# Altium PCB PCB_3U_DAC_no_BNC.PCBDOC (part 2 of 7) (continued)
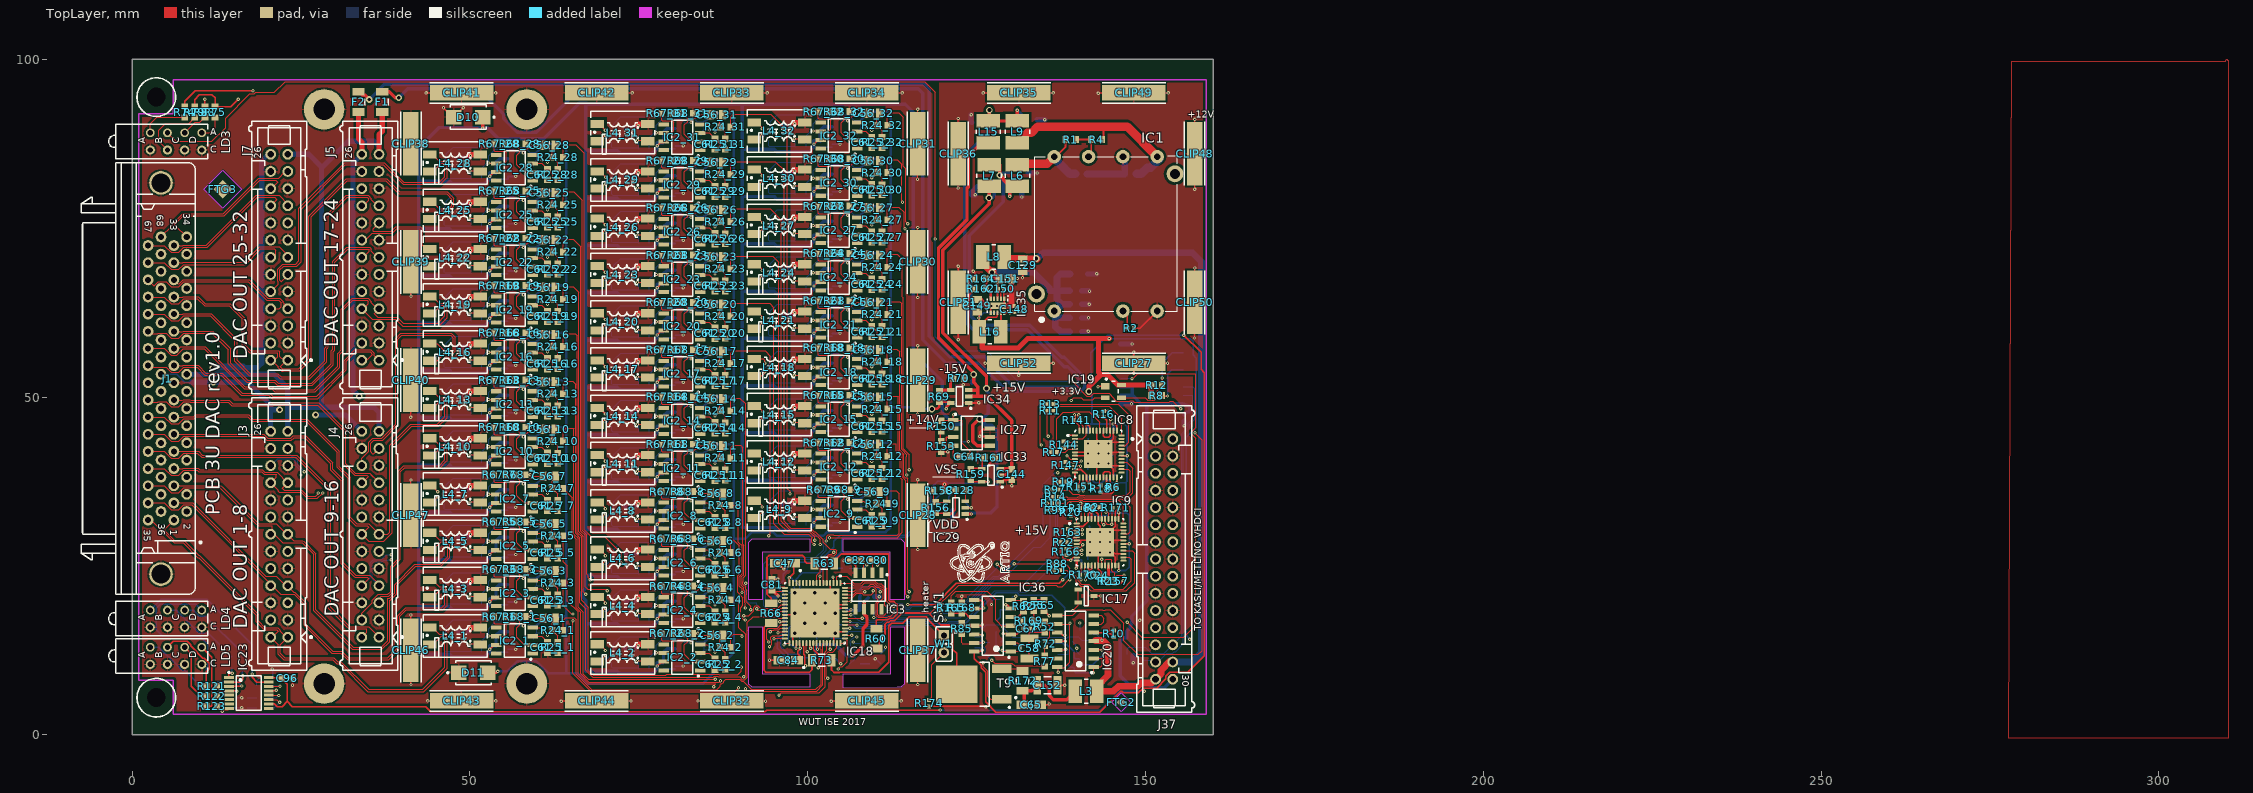
[diagram p0: TopLayer view]
## Components (designator, comment, footprint, x,y, rotation, side; value= is the part's Value field where it differs from the comment) (continued)
R99 "0" RESC1005X40N 136.652,33.274 r0 top
R101 "0" RESC1005X40N 136.652,34.29 r0 top
R113 "220" RESC1608X55N 17.78,10.719 r90 bottom
R114 "220" RESC1608X55N 14.763,10.706 r90 bottom
R115 "220" RESC1608X55N 16.263,10.706 r90 bottom
R116 "220" RESC1608X55N 107,10.5 r180 bottom
R117 "220" RESC1608X55N 107.75,12.781 r90 bottom
R118 "220" RESC1608X55N 19.25,5.5 r0 bottom
R119 "220" RESC1608X55N 11.763,7.856 r180 bottom
R120 "220" RESC1608X55N 11.763,6.456 r180 bottom
R121 "220" RESC1608X55N 11.763,7.206 r180 top
R122 "220" RESC1608X55N 11.763,5.706 r180 top
R123 "220" RESC1608X55N 11.763,4.206 r180 top
R141 "100" RESC1005X40N 139.813,46.578 r180 top
R144 "100" RESC1005X40N 137.883,42.972 r270 top
R147 "100" RESC1005X40N 138.162,39.949 r270 top
R150 "24k" RESC1608X55N 119.763,45.706 r90 top
R151 "100" RESC1005X40N 140.423,36.749 r0 top
R153 "2k7" RESC1608X55N 119.763,42.706 r90 top
R156 "24k" RESC1608X55N 118.933,33.647 r270 top
R157 "100" RESC1005X40N 145.427,22.779 r270 top
R158 "2k7" RESC1608X55N 119.438,36.171 r180 top
R159 "24k" RESC1608X55N 124.135,38.551 r270 top
R160 "100" RESC1005X40N 140.755,33.563 r180 top
R161 "2k7" RESC1608X55N 126.927,41.051 r180 top
R162 "270k" RESC1608X55N 125.588,66.031 r180 top
R163 "100" RESC1005X40N 138.52,30.007 r270 top
R164 "82k" RESC1608X55N 125.588,67.531 r0 top
R165 "10k" RESC1608X55N 121.256,18.793 r90 top
R166 "100" RESC1005X40N 138.292,27.086 r270 top
R168 "10k" RESC1608X55N 122.78,18.793 r270 top
R169 "100k" RESC1608X55N 132.686,16.888 r0 top
R170 "100" RESC1005X40N 140.781,23.708 r0 top
R171 "10k" RESC1005X40N 145.571,33.601 r0 top
R172 "22" RESC3216X65N 131.797,7.998 r270 top
R174 "0" RESC1005X40N 117.954,4.696 r90 top
SW1 "Jumper Type1" JUMPER_BLACK_INSULATED_2.54MM 120.142,14.732 r270 top
T9 "FDD5614P" TO228P991X238-3N-R546X521 124.549,7.528 r180 top
W1 "Test Point" COMATEL_385.0358.1.02.400 120.142,14.732 r270 top

## Footprints (in the part's own frame and the unit in brackets; to place one, negate y for a bottom-side part, rotate by r counter-clockwise, add the part's x,y. Pads: shape width x height; smd on the part's side, far side on the other; paste and mask are expansions set on the pad)
3M_N2526-6002RB [mm] "26 Contacts - Straight .100\" x .100\" Low Profile Four-Wall Header"
  round 1.6 hole 1: 1(-15.24,-1.27) 2(-15.24,1.27) 3(-12.7,-1.27) 4(-12.7,1.27) 5(-10.16,-1.27) 6(-10.16,1.27) 7(-7.62,-1.27) 8(-7.62,1.27) 9(-5.08,-1.27) 10(-5.08,1.27) 11(-2.54,-1.27) 12(-2.54,1.27) 13(0,-1.27) 14(0,1.27) 15(2.54,-1.27) 16(2.54,1.27) 17(5.08,-1.27) 18(5.08,1.27) 19(7.62,-1.27) 20(7.62,1.27) 21(10.16,-1.27) 22(10.16,1.27) 23(12.7,-1.27) 24(12.7,1.27) 25(15.24,-1.27) 26(15.24,1.27)
  silkscreen extent -20.17,-4.85 20.17,4.52, body extent -20.17,-4.11 20.17,4.52, height 9.91
3M_N2530-6002RB [mm] "30 Contacts - Straight .100\" x .100\" Low Profile Four-Wall Header"
  round 1.6 hole 1: 1(-17.78,-1.27) 2(-17.78,1.27) 3(-15.24,-1.27) 4(-15.24,1.27) 5(-12.7,-1.27) 6(-12.7,1.27) 7(-10.16,-1.27) 8(-10.16,1.27) 9(-7.62,-1.27) 10(-7.62,1.27) 11(-5.08,-1.27) 12(-5.08,1.27) 13(-2.54,-1.27) 14(-2.54,1.27) 15(0,-1.27) 16(0,1.27) 17(2.54,-1.27) 18(2.54,1.27) 19(5.08,-1.27) 20(5.08,1.27) 21(7.62,-1.27) 22(7.62,1.27) 23(10.16,-1.27) 24(10.16,1.27) 25(12.7,-1.27) 26(12.7,1.27) 27(15.24,-1.27) 28(15.24,1.27) 29(17.78,-1.27) 30(17.78,1.27)
  silkscreen extent -22.71,-4.85 22.71,4.52, body extent -22.71,-4.11 22.71,4.52, height 9.91
CAPC1005X55N [mm] "Chip Capacitor, Body 1.0x0.55mm, IPC Medium Density"
  rect 0.62x0.62 smd: 1(-0.45,0) 2(0.45,0)
  body extent -0.52,-0.27 0.53,0.28, height 0.55
CAPC1608X87N [mm] "Chip Capacitor, Body 1.6x0.8mm IPC Medium Density"
  rect 0.95x1 smd: 1(-0.8,0) 2(0.8,0)
  body extent -0.87,-0.47 0.88,0.48, height 0.87
CAPC2012X135N [mm] "Chip Capacitor, Body 2.0x1.25mm, IPC Medium Density"
  rect 1.05x1.4 smd: 1(-0.9,0) 2(0.9,0)
  silkscreen extent 0,-0.58 0,0.57, body extent -1.05,-0.67 1.05,0.68, height 1.25
CAPC3216X140N [mm] "Chip Capacitor, Body 3.2x1.6mm, IPC Medium Density"
  rect 1.15x1.8 smd: 1(-1.5,0) 2(1.5,0)
  body extent -1.7,-0.9 1.7,0.9, height 1.4
CAPC3225X270N [mm] "Chip Capacitor, Body 3.2x2.5mm, IPC Medium Density"
  rect 1.15x2.7 smd: 1(-1.5,0) 2(1.5,0)
  silkscreen extent -0.55,-1.25 0.55,1.25, body extent -1.7,-1.35 1.7,1.35, height 2.7
CAPMP3216X180N [mm] "Capacitor, Polarized, Molded  Body 3.2x1.6mm, IPC Medium Density"
  rect 1.8x1.25 smd: 1(-1.3,0) 2(1.3,0)
  silkscreen extent -2.4,-0.7 0,1.2, body extent -1.7,-0.9 1.7,0.9, height 1.6
CC6-1212DF-E [mm]
  round 2 hole 1: 1(-2.54,-2.63) 2(-2.54,-12.79) 3(-2.54,-17.87) 4(20.32,-17.87) 5(20.32,-12.79) 6(20.32,-7.71) 7(20.32,-2.63)
  round 2.5 hole 1.5: 8(0,0) 9(17.78,-20.5)
  silkscreen extent -4.06,-20.83 20.44,0.25, body extent -2.72,-20.81 20.44,0.29, height 8.4
CLIP_HOLLAND-SHIELDING_LC [mm] "Surface Mount Clip for PCB Screening Covers"
  rect 9.4x2.3 smd: 1(0,0)
  silkscreen extent -4.7,-1.5 4.7,1.5, body extent -4.4,-1.15 4.4,1.15, height 3.5
COMATEL_385.0358.1.02.400 [mm] "2 Contacts Straight Strip Header Pitch 2.54mm L=6.3mm ''Mini-Wire-Wrap''"
  rect 1.6x1.6 hole 0.9: 1(0,0)
  round 1.6 hole 0.9: 2(2.54,0)
  silkscreen extent -1.27,-1.23 3.81,1.93, body extent -1.27,-1.22 3.81,1.23, height 8
DIOM5336X265N [mm] "DO-214-AA/SMB Diode, Molded Body; 5.34mm L X 3.625mm W X 2.65mm H, IPC Medium Density"
  rect 2.3x2.15 smd: 1(-2.15,0) 2(2.15,0)
  silkscreen extent -3.93,-1.8 2.65,1.8, body extent -2.7,-1.95 2.7,1.95, height 2.4
FIDUCIAL_TOP_C100-200 [mm] "Round Fiducial Target, Top Layer, 1.0mm, Top Solder 2.0mm, Keepout =2.0mm"
  round 1 smd paste-0.51 mask+0.5: FTG2(0,0)
  TopLayer keep-out circle w0.1: c0,0 r1
FIDUCIAL_TOP_S100-200 [mm] "Square Fiducial Target, Top Layer, 1.0mm, Top Solder 2.0mm, Keepout =2.0mm"
  rect 1x1 smd rot 45 paste-0.51 mask+0.5: 1(0,0)
  TopLayer keep-out region: 1.414,0 0,-1.414 -1.414,0 0,1.414
FIDUCIAL_TOP_S200-400 [mm] "Square Fiducial Target, Top Layer, 2.0mm, Top Solder 4.0mm, Keepout =4.0mm"
  rect 2x2 smd rot 45 paste-0.9 mask+1: 1(0,0)
  TopLayer keep-out region: -2.839,0.011 -0.011,2.839 2.818,0.011 -0.011,-2.818
FUSRC3216X100N [mm] "Chip Resettable Fuse, 2-Leads, Body 3.2mmx1.6mm, IPC Medium Density"
  rect 1.15x1.8 smd: 1(-1.5,0) 2(1.5,0)
  silkscreen extent -0.5,-0.9 0.5,0.9, body extent -1.7,-0.9 1.7,0.9, height 1
IND_MURATA-PS_8400 [mm] "Miniature Surface Mount Power Inductors, 4.5mm L X 3.3mm W X 2.9mm H, MURATA 8400 Serie"
  rect 2x3.5 smd: 1(-1.6,0) 2(1.6,0)
  silkscreen extent -0.3,-1.8 0.3,1.8, body extent -2.4,-1.8 2.4,1.8, height 2.9
IND_WURTH_WE-SL2 [mm] "Common Mode SMD Line Filter WE-SL2"
  rect 2x1.2 smd: 1(-3.75,1.27) 2(-3.75,-1.27) 3(3.75,-1.27) 4(3.75,1.27)
  silkscreen extent -4.75,-3.15 4.75,3.15, body extent -4.75,-3.15 4.75,3.15, height 5.3
JUMPER_BLACK_INSULATED_2.54MM [mm] "Black Insulated Jumper Pitch 2.54mm W=2.5mm L=5mm H=6.5mm"
  round 0.9 smd paste-0.46 mask-0.46: 1(0,0)
  silkscreen extent 1.1,-0.38 1.44,0.38, body extent -1.27,-1.27 3.73,1.23, height 8.2
LED_BIVAR_H485CGDL [mm] "Quad-Level 2mm Green, PCB Edge Mounting  BIVAR H485CGDL"
  round 1.35 hole 0.8: 1(-3.81,-1.27) 3(-1.27,-1.27) 5(1.27,-1.27) 7(3.81,-1.27)
  round 1.3 hole 0.8: 2(-3.81,1.27) 4(-1.27,1.27) 6(1.27,1.27) 8(3.81,1.27)
  silkscreen extent -9.99,-2.55 4.71,2.55, body extent -9.99,-2.55 4.71,2.55, height 11.3
LED_BIVAR_H485CHHGGDL [mm] "Quad-Level 2mm (Green+Green+HeRed+HeRed) LED, PCB Edge Mounting BIVAR H485C Serie"
  round 1.35 hole 0.8: 1(-3.81,-1.27) 3(-1.27,-1.27) 5(1.27,-1.27) 7(3.81,-1.27)
  round 1.3 hole 0.8: 2(-3.81,1.27) 4(-1.27,1.27) 6(1.27,1.27) 8(3.81,1.27)
  silkscreen extent -9.99,-2.55 4.71,2.55, body extent -9.99,-2.55 4.71,2.55, height 11.3
QFN50P700X700X100-49N-S420 [mm] "QFN, 0.50mm Pitch, Square; 48 Pin, 7.00mm L X 7.00mm W X 1mm H body (W/Thermal Tab 4.2mm X 4.2mm), IPC Medium Density"
  oval 0.9x0.3 smd: 1(-3.45,2.75) 2(-3.45,2.25) 3(-3.45,1.75) 4(-3.45,1.25) 5(-3.45,0.75) 6(-3.45,0.25) 7(-3.45,-0.25) 8(-3.45,-0.75) 9(-3.45,-1.25) 10(-3.45,-1.75) 11(-3.45,-2.25) 12(-3.45,-2.75) 25(3.45,-2.75) 26(3.45,-2.25) 27(3.45,-1.75) 28(3.45,-1.25) 29(3.45,-0.75) 30(3.45,-0.25) 31(3.45,0.25) 32(3.45,0.75) 33(3.45,1.25) 34(3.45,1.75) 35(3.45,2.25) 36(3.45,2.75)
  oval 0.3x0.9 smd: 13(-2.75,-3.45) 14(-2.25,-3.45) 15(-1.75,-3.45) 16(-1.25,-3.45) 17(-0.75,-3.45) 18(-0.25,-3.45) 19(0.25,-3.45) 20(0.75,-3.45) 21(1.25,-3.45) 22(1.75,-3.45) 23(2.25,-3.45) 24(2.75,-3.45) 37(2.75,3.45) 38(2.25,3.45) 39(1.75,3.45) 40(1.25,3.45) 41(0.75,3.45) 42(0.25,3.45) 43(-0.25,3.45) 44(-0.75,3.45) 45(-1.25,3.45) 46(-1.75,3.45) 47(-2.25,3.45) 48(-2.75,3.45)
  rect 4.2x4.2 smd: 49(0,0)
  silkscreen extent -4.62,-3.5 3.5,3.5, body extent -3.5,-3.5 3.5,3.5, height 1
QFN50P900X900X100-65N-S725 [mm] "QFN, 0.50mm Pitch, Square; 64 Pin, 9.00mm L X 9.00mm W X 1.00mm H Body (7.25 X 7.25mm Thermal Tab), IPC Medium Density"
  oval 0.9x0.3 smd: 1(-4.45,3.75) 2(-4.45,3.25) 3(-4.45,2.75) 4(-4.45,2.25) 5(-4.45,1.75) 6(-4.45,1.25) 7(-4.45,0.75) 8(-4.45,0.25) 9(-4.45,-0.25) 10(-4.45,-0.75) 11(-4.45,-1.25) 12(-4.45,-1.75) 13(-4.45,-2.25) 14(-4.45,-2.75) 15(-4.45,-3.25) 16(-4.45,-3.75) 33(4.45,-3.75) 34(4.45,-3.25) 35(4.45,-2.75) 36(4.45,-2.25) 37(4.45,-1.75) 38(4.45,-1.25) 39(4.45,-0.75) 40(4.45,-0.25) 41(4.45,0.25) 42(4.45,0.75) 43(4.45,1.25) 44(4.45,1.75) 45(4.45,2.25) 46(4.45,2.75) 47(4.45,3.25) 48(4.45,3.75)
  oval 0.3x0.9 smd: 17(-3.75,-4.45) 18(-3.25,-4.45) 19(-2.75,-4.45) 20(-2.25,-4.45) 21(-1.75,-4.45) 22(-1.25,-4.45) 23(-0.75,-4.45) 24(-0.25,-4.45) 25(0.25,-4.45) 26(0.75,-4.45) 27(1.25,-4.45) 28(1.75,-4.45) 29(2.25,-4.45) 30(2.75,-4.45) 31(3.25,-4.45) 32(3.75,-4.45) 49(3.75,4.45) 50(3.25,4.45) 51(2.75,4.45) 52(2.25,4.45) 53(1.75,4.45) 54(1.25,4.45) 55(0.75,4.45) 56(0.25,4.45) 57(-0.25,4.45) 58(-0.75,4.45) 59(-1.25,4.45) 60(-1.75,4.45) 61(-2.25,4.45) 62(-2.75,4.45) 63(-3.25,4.45) 64(-3.75,4.45)
  rect 7.25x7.25 smd: 65(0,0)
  silkscreen extent -5.62,-4.5 4.5,4.5, body extent -4.5,-4.5 4.5,4.5, height 1
RESC1005X40N [mm] "Chip Resistor, EIA 0402, Metric 1005, Body 1.0x0.5mm, IPC Medium Density"
  rect 0.58x0.62 smd: 1(-0.47,0) 2(0.47,0)
  body extent -0.52,-0.27 0.53,0.28, height 0.4
RESC1508X63N [mm] "Chip Resistor, EIA 0603, Metric 1608, Body 1.5x0.8mm, IPC Medium Density"
  rect 0.8x1.02 smd: 1(-0.65,0) 2(0.65,0)
  body extent -0.76,-0.42 0.76,0.43, height 0.63
RESC1608X55N [mm] "Chip Resistor, EIA 0603, Metric 1608, Body 1.6x0.8mm, IPC Medium Density"
  rect 0.9x1 smd: 1(-0.8,0) 2(0.8,0)
  body extent -0.87,-0.47 0.88,0.48, height 0.55
RESC3216X65N [mm] "Chip Resistor, EIA 1206, Metric 3216, Body 3.2x1.6mm, IPC Medium Density"
  rect 1.15x1.8 smd: 1(-1.45,0) 2(1.45,0)
  silkscreen extent -0.5,-0.9 0.5,0.9, body extent -1.67,-0.87 1.68,0.88, height 0.65
SOIC127P600X175-8N [mm] "SOIC 8, Pitch 1.27mm - Body 4x5mm, IPC Medium Density"
  rect 1.55x0.6 smd: 1(-2.7,1.905) 2(-2.7,0.635) 3(-2.7,-0.635) 4(-2.7,-1.905) 5(2.7,-1.905) 6(2.7,-0.635) 7(2.7,0.635) 8(2.7,1.905)
  silkscreen extent -2.53,-2.5 1.55,2.88, body extent -3.1,-2.5 3.1,2.5, height 1.75
SOIC127P600X175-14N [mm] "SOIC 14, Pitch 1.27mm - Body 4x8.75mm, IPC Medium Density"
  rect 1.55x0.6 smd: 1(-2.7,3.81) 2(-2.7,2.54) 3(-2.7,1.27) 4(-2.7,0) 5(-2.7,-1.27) 6(-2.7,-2.54) 7(-2.7,-3.81) 8(2.7,-3.81) 9(2.7,-2.54) 10(2.7,-1.27) 11(2.7,0) 12(2.7,1.27) 13(2.7,2.54) 14(2.7,3.81)
  silkscreen extent -2.53,-4.4 1.55,4.78, body extent -3.1,-4.37 3.1,4.38, height 1.75
SOIC127P1030X265-16N [mm] "SOIC 16, Pitch 1.27mm - Body 7.5x10.3mm, IPC Medium Density"
  rect 2x0.6 smd: 1(-4.65,4.445) 2(-4.65,3.175) 3(-4.65,1.905) 4(-4.65,0.635) 5(-4.65,-0.635) 6(-4.65,-1.905) 7(-4.65,-3.175) 8(-4.65,-4.445) 9(4.65,-4.445) 10(4.65,-3.175) 11(4.65,-1.905) 12(4.65,-0.635) 13(4.65,0.635) 14(4.65,1.905) 15(4.65,3.175) 16(4.65,4.445)
  silkscreen extent -5.52,-5.15 3.32,5.37, body extent -5.18,-5.25 5.18,5.25, height 1.68
SON50P200X300X80-11N-R94X250 [mm] "SON, 10-Leads, Body 2x3mm, Pitch 0.5mm, Thermal Pad 0.94x2.5mm, IPC Medium Density"
  rect 0.7x0.3 smd: 1(-1.05,1) 2(-1.05,0.5) 3(-1.05,0) 4(-1.05,-0.5) 5(-1.05,-1) 6(1.05,-1) 7(1.05,-0.5) 8(1.05,0) 9(1.05,0.5) 10(1.05,1)
  rect 0.94x2.5 smd: 11(0,0)
  silkscreen extent -1.5,-1.55 1.05,1.6, body extent -1.05,-1.55 1.05,1.55, height 0.8
SOP65P640X120-16N [mm] "SOP, 0.65mm pitch; 16 pin, 4.40mm W X 5.00mm L X 1.20mm H body IPC Medium Density"
  rect 1.45x0.45 smd: 1(-2.95,2.275) 2(-2.95,1.625) 3(-2.95,0.975) 4(-2.95,0.325) 5(-2.95,-0.325) 6(-2.95,-0.975) 7(-2.95,-1.625) 8(-2.95,-2.275) 9(2.95,-2.275) 10(2.95,-1.625) 11(2.95,-0.975) 12(2.95,-0.325) 13(2.95,0.325) 14(2.95,0.975) 15(2.95,1.625) 16(2.95,2.275)
  silkscreen extent -3.07,-2.55 1.85,3.17, body extent -3.12,-2.55 3.12,2.55, height 1.2
SOT95P237X112-3N [mm] "SOT, 0.95mm, pitch; 3 pin,1.30mm W X 2.92mm L X 1.12mm H body, IPC Medium Density"
  rect 1.05x0.6 smd: 1(-1.15,0.95) 2(-1.15,-0.95) 3(1.15,0)
  silkscreen extent -1.52,-1.45 0.3,1.87, body extent -1.25,-1.5 1.25,1.5, height 1.1
SOT95P240X110-3N [mm] "SOT23 3-Leads, Pitch 0.95mm, Body 1.3x2.9mm, IPC Medium Density"
  rect 1.05x0.65 smd: 1(-1.15,-0.95) 2(-1.15,0.95) 3(1.15,0)
  body extent -1.25,-1.5 1.25,1.5, height 1.1
SOT95P251X112-3N [mm] "SOT23 3-Leads, Pitch 0.95mm - Body 1.3x2.9mm, IPC Medium Density"
  rect 1.05x0.65 smd: 1(-1.2,0.95) 2(-1.2,-0.95) 3(1.2,0)
  silkscreen extent -1.57,-1.45 0.35,1.92, body extent -1.27,-1.5 1.27,1.5, height 1.12
SOT95P280X100-5N [mm] "SOT23, 0.95mm pitch; 5 pin, 1.625mm W X 2.9mm L, IPC Medium"
  rect 1.1x0.55 smd: 1(-1.35,0.95) 2(-1.35,0) 3(-1.35,-0.95) 4(1.35,-0.95) 5(1.35,0.95)
  silkscreen extent -1.78,-1.45 0.47,1.87, body extent -1.4,-1.5 1.4,1.5, height 1
SOT95P280X145-5N [mm] "SOT, 0.95mm pitch; 5 pin, 1.60mm W X 2.90mm L X 1.45mm H body, IPC Medium Density"
  rect 1.1x0.6 smd: 1(-1.3,0.95) 2(-1.3,0) 3(-1.3,-0.95) 4(1.3,-0.95) 5(1.3,0.95)
  silkscreen extent -1.72,-1.45 0.43,1.88, body extent -1.4,-1.5 1.4,1.5, height 1.45
SOT143N [mm] "SOT143, 4-Leads, Body 3.0x2.6mm (max), Pitch 1.92mm, IPC Medium Density"
  rect 1.3x1 smd: 1(-1.2,0.75)
  rect 1.3x0.6 smd: 2(-1.2,-0.95) 3(1.2,-0.95) 4(1.2,0.95)
  silkscreen extent -1.17,-1.5 0.7,1.93, body extent -1.25,-1.5 1.25,1.5, height 1.1
TO228P991X238-3N-R546X521 [mm] "TO-252AA DPAK TO, 2.28mm pitch; 2 pin,9.905mm L X 6.095mm W X 2.38mm H body, IPC Medium Density"
  rect 2.85x1.25 smd: 1(-4.15,2.28) 2(-4.15,-2.28)
  rect 6.1x5.55 smd: 3(2.5,0)
  silkscreen extent -5.43,-3.25 -0.9,3.57, body extent -5,-3.38 5.27,3.37, height 2.38
TYCO_5787082-7 [mm] "68 contacts, AMPLIMITE .050\", Right Angled Receptacle Series III"
  round 1.6 hole 0.9: 1(20.955,0.952) 2(19.685,2.858) 3(18.415,0.952) 4(17.145,2.858) 5(15.875,0.952) 6(14.605,2.858) 7(13.335,0.952) 8(12.065,2.858) 9(10.795,0.952) 10(9.525,2.858) 11(8.255,0.952) 12(6.985,2.858) 13(5.715,0.952) 14(4.445,2.858) 15(3.175,0.952) 16(1.905,2.858) 17(0.635,0.952) 18(-0.635,2.857) 19(-1.905,0.952) 20(-3.175,2.857) 21(-4.445,0.952) 22(-5.715,2.857) 23(-6.985,0.952) 24(-8.255,2.857) 25(-9.525,0.952) 26(-10.795,2.857) 27(-12.065,0.952) 28(-13.335,2.857) 29(-14.605,0.952) 30(-15.875,2.857) 31(-17.145,0.952) 32(-18.415,2.857) 33(-19.685,0.952) 34(-20.955,2.857) 35(20.955,-2.858) 36(19.685,-0.953) 37(18.415,-2.858) 38(17.145,-0.953) 39(15.875,-2.858) 40(14.605,-0.953) 41(13.335,-2.858) 42(12.065,-0.953) 43(10.795,-2.858) 44(9.525,-0.953) 45(8.255,-2.858) 46(6.985,-0.953) 47(5.715,-2.858) 48(4.445,-0.953) 49(3.175,-2.858) 50(1.905,-0.953) 51(0.635,-2.858) 52(-0.635,-0.953) 53(-1.905,-2.858) 54(-3.175,-0.953) 55(-4.445,-2.858) 56(-5.715,-0.953) 57(-6.985,-2.858) 58(-8.255,-0.953) 59(-9.525,-2.858) 60(-10.795,-0.953) 61(-12.065,-2.858) 62(-13.335,-0.953) 63(-14.605,-2.858) 64(-15.875,-0.953) 65(-17.145,-2.858) 66(-18.415,-0.953) 67(-19.685,-2.858) 68(-20.955,-0.953)
  round 3.5 hole 2.8: 69(-28.955,-0.953) 70(28.955,-0.952)
  silkscreen extent -31.94,-12.74 31.94,5.05, body extent -31.94,-12.74 31.94,4.13, height 9.5

## Part data
C9 C13 C31 C33 C50 C53 C66 C67 C78 C83 C91_1 C91_2 C91_3 C91_4 C91_5 C91_6 C91_7 C91_8 C91_9 C91_10 C91_11 C91_12 C91_13 C91_14 C91_15 C91_16 C91_17 C91_18 C91_19 C91_20 C91_21 C91_22 C91_23 C91_24 C91_25 C91_26 C91_27 C91_28 C91_29 C91_30 C91_31 C91_32 C92_1 C92_2 C92_3 C92_4 C92_5 C92_6 C92_7 C92_8 C92_9 C92_10 C92_11 C92_12 C92_13 C92_14 C92_15 C92_16 C92_17 C92_18 C92_19 C92_20 C92_21 C92_22 C92_23 C92_24 C92_25 C92_26 C92_27 C92_28 C92_29 C92_30 C92_31 C92_32: library part CC0402_100NF_16V_10%_X7R, "Non-polarised capacitor"
C12 C14 C47 C65 C79 C84 C90_1 C90_2 C90_3 C90_4 C90_5 C90_6 C90_7 C90_8 C90_9 C90_10 C90_11 C90_12 C90_13 C90_14 C90_15 C90_16 C90_17 C90_18 C90_19 C90_20 C90_21 C90_22 C90_23 C90_24 C90_25 C90_26 C90_27 C90_28 C90_29 C90_30 C90_31 C90_32 C93_1 C93_2 C93_3 C93_4 C93_5 C93_6 C93_7 C93_8 C93_9 C93_10 C93_11 C93_12 C93_13 C93_14 C93_15 C93_16 C93_17 C93_18 C93_19 C93_20 C93_21 C93_22 C93_23 C93_24 C93_25 C93_26 C93_27 C93_28 C93_29 C93_30 C93_31 C93_32 C124 C132 C134 C135 C136 C143 C145 C146 C147: library part CTE3216-18_10UF_16V_20%_AVX_TCJ, "Polarised capacitor"
C19 C20 C21 C22 C23 C24 C37 C38 C69 C70 C148 C150: library part CC0402_100NF_16V_10%_X5R, "Non-polarised capacitor"
C56_1 C56_2 C56_3 C56_4 C56_5 C56_6 C56_7 C56_8 C56_9 C56_10 C56_11 C56_12 C56_13 C56_14 C56_15 C56_16 C56_17 C56_18 C56_19 C56_20 C56_21 C56_22 C56_23 C56_24 C56_25 C56_26 C56_27 C56_28 C56_29 C56_30 C56_31 C56_32: library part CC0805_680PF_50V_5%_NP0, "Non-polarised capacitor"
C58 C152: library part CC1210_47UF_10V_10%_X7R, "Non-polarised capacitor"
C59: library part CC0603_1NF_50V_10%_X7R, "Non-polarised capacitor"
C61_1 C61_2 C61_3 C61_4 C61_5 C61_6 C61_7 C61_8 C61_9 C61_10 C61_11 C61_12 C61_13 C61_14 C61_15 C61_16 C61_17 C61_18 C61_19 C61_20 C61_21 C61_22 C61_23 C61_24 C61_25 C61_26 C61_27 C61_28 C61_29 C61_30 C61_31 C61_32: library part CC0603_220PF_50V_5%_NP0, "Non-polarised capacitor"
C62_1 C62_2 C62_3 C62_4 C62_5 C62_6 C62_7 C62_8 C62_9 C62_10 C62_11 C62_12 C62_13 C62_14 C62_15 C62_16 C62_17 C62_18 C62_19 C62_20 C62_21 C62_22 C62_23 C62_24 C62_25 C62_26 C62_27 C62_28 C62_29 C62_30 C62_31 C62_32: library part CC1206_2.2NF_50V_5%_NP0, "Non-polarised capacitor"
C63 C82 C96 C133 C144: library part CC0603_1UF_25V_10%_X7R, "Non-polarised capacitor"
C64 C128: library part CC0603_10NF_50V_10%_X7R, "Non-polarised capacitor"
C68 C71 C76 C77 C95: library part CC0603_82PF_50V_5%_NP0, "Non-polarised capacitor"
C80 C81: library part CC0603_2.2UF_16V_10%_X5R, "Non-polarised capacitor"
C129 C130 C131 C137 C138 C139 C140 C141 C142 C149 C151: library part CC0805_22UF_16V_10%_X5R, "Non-polarised capacitor"
CLIP27 CLIP28 CLIP29 CLIP30 CLIP31 CLIP32 CLIP33 CLIP34 CLIP35 CLIP36 CLIP37 CLIP38 CLIP39 CLIP40 CLIP41 CLIP42 CLIP43 CLIP44 CLIP45 CLIP46 CLIP47 CLIP48 CLIP49 CLIP50 CLIP51 CLIP52: "Surface Mount Clip for PCB Screening Covers"
D5_1 D5_2 D5_3 D5_4 D5_5 D5_6 D5_7 D5_8 D5_9 D5_10 D5_11 D5_12 D5_13 D5_14 D5_15 D5_16 D5_17 D5_18 D5_19 D5_20 D5_21 D5_22 D5_23 D5_24 D5_25 D5_26 D5_27 D5_28 D5_29 D5_30 D5_31 D5_32: "Serial Diode"
D10 D11: "Zener Diode"
F1 F2: library part FUSR1206_TYCO-NANOSMD016F, "Fuse"
FTG1: library part FIDUCIAL_TARGET_C100-200, "Fiducial Target"
FTG2 FTG4: library part FIDUCIAL_TARGET_S100-200, "Fiducial Target"
FTG3: library part FIDUCIAL_TARGET_S200-400, "Fiducial Target"
IC1: "CONV DC/DC 6W DUAL 12V +-12V PCB"
IC2_1 IC2_2 IC2_3 IC2_4 IC2_5 IC2_6 IC2_7 IC2_8 IC2_9 IC2_10 IC2_11 IC2_12 IC2_13 IC2_14 IC2_15 IC2_16 IC2_17 IC2_18 IC2_19 IC2_20 IC2_21 IC2_22 IC2_23 IC2_24 IC2_25 IC2_26 IC2_27 IC2_28 IC2_29 IC2_30 IC2_31 IC2_32: "36-V, Precision, Rail-to-Rail Input/Output, Low Offset Voltage, Operational Amplifiers"
IC3: "1ppm/°C, Low-Noise, Precision, +5.000V Voltage Reference"
IC8 IC9: "4-Channel Half-Duplex M-LVDS Line Transceiver"
IC13: "Remote 8-bit I/O Expander For I2C Bus"
IC16: "-20° to +100°C ±3°C Precision Centigrade Temperature Sensors"
IC17: "Precision Reference 1=Adj 2=Cathode 3=Anode"
IC18: "32-Channel, 16-Bit, Serial Input, Voltage Output Digital-to-Analog Converter"
IC19: "Microprocessor Reset Circuit"
IC20 IC36: "LinCMOS Precision (900uV) Quad Operational Amplifier"
IC23: "8-Bit Shift Register With 3-State Output Register"
IC27: "1.22V to 20V 500mA, Low Noise, LDO Adjustable Micropower Regulator"
IC29: "100mA, Low Noise, LDO Micropower Adjustable Regulator in SOT-23"
IC32: "1.7V-5.5V, 2K I2C Serial EEPROM With EUI-48 Node Identity"
IC33 IC34: "200mA, Low Noise, Low Dropout Negative Micropower Regulator"
IC35: "4.75-28VDC to 1-6VDC, 500mA Step-Down Converter With Sleep Mode"
J1: library part TYCO_5787082-7, "68 contacts, AMPLIMITE .050\", Right Angled Receptacle Series III"
J3 J4 J5 J7: library part 3M_N2526-6002RB, "Connector 26 Male"
J37: library part 3M_N2530-6002RB, "Connector 30 Male"
L3 L6 L7 L8 L9 L15 L16: library part IND_10UH_10%_MURATA-PS_8400, "Inductor With Core"
L4_1 L4_2 L4_3 L4_4 L4_5 L4_6 L4_7 L4_8 L4_9 L4_10 L4_11 L4_12 L4_13 L4_14 L4_15 L4_16 L4_17 L4_18 L4_19 L4_20 L4_21 L4_22 L4_23 L4_24 L4_25 L4_26 L4_27 L4_28 L4_29 L4_30 L4_31 L4_32: library part IND_6.5MH_50%_WURTH_WE-SL2-744229, "Inductor Common Mode"
LD3: library part LED_BIVAR_H485CHHGGDL, "LED x4 G-1C2A-BOT_G-3C4A_H-5C6A_H-7C8A-TOP"
LD4 LD5: library part LED_BIVAR_H485CGDL, "LED x4 Green 1C2A-BOT_3C4A_5C6A_7C8A-TOP"
R1 R68_1 R68_2 R68_3 R68_4 R68_5 R68_6 R68_7 R68_8 R68_9 R68_10 R68_11 R68_12 R68_13 R68_14 R68_15 R68_16 R68_17 R68_18 R68_19 R68_20 R68_21 R68_22 R68_23 R68_24 R68_25 R68_26 R68_27 R68_28 R68_29 R68_30 R68_31 R68_32: library part R0603_NO-VALUE, "Resistor"
R2 R3 R7 R10 R11 R13 R14 R51 R72 R88 R97 R99 R101 R174: library part R0402_0R_JUMPER, "Resistor"
R4: library part R0603_36R_1%_0.1W_100PPM, "Resistor - 1%"
R5 R9: library part R0603_47R_1%_0.1W_100PPM, "Resistor - 1%"
R6 R16 R17 R18 R19 R20 R21 R22 R23 R141 R144 R147 R151 R157 R160 R163 R166 R170: library part R0402_100R_1%_0.1W_100PPM, "Resistor - 1%"
R8 R12 R52 R71 R76 R77 R81 R84 R165 R168: library part R0603_10K_1%_0.1W_100PPM, "Resistor - 1%"
R24_1 R24_2 R24_3 R24_4 R24_5 R24_6 R24_7 R24_8 R24_9 R24_10 R24_11 R24_12 R24_13 R24_14 R24_15 R24_16 R24_17 R24_18 R24_19 R24_20 R24_21 R24_22 R24_23 R24_24 R24_25 R24_26 R24_27 R24_28 R24_29 R24_30 R24_31 R24_32: library part R0603_2K32_0.1%_0.063W_10PPM, "Resistor - 0.1%"
R25_1 R25_2 R25_3 R25_4 R25_5 R25_6 R25_7 R25_8 R25_9 R25_10 R25_11 R25_12 R25_13 R25_14 R25_15 R25_16 R25_17 R25_18 R25_19 R25_20 R25_21 R25_22 R25_23 R25_24 R25_25 R25_26 R25_27 R25_28 R25_29 R25_30 R25_31 R25_32: library part R0603_9K09_0.1%_0.063W_10PPM, "Resistor - 0.1%"
R39_1 R39_2 R39_3 R39_4 R39_5 R39_6 R39_7 R39_8 R39_9 R39_10 R39_11 R39_12 R39_13 R39_14 R39_15 R39_16 R39_17 R39_18 R39_19 R39_20 R39_21 R39_22 R39_23 R39_24 R39_25 R39_26 R39_27 R39_28 R39_29 R39_30 R39_31 R39_32: library part R0603_470R_1%_0.1W_100PPM, "Resistor - 1%"
R53: library part R0603_1M_1%_0.1W_100PPM, "Resistor - 1%"
R54 R55 R57 R62 R65 R169: library part R0603_100K_1%_0.1W_100PPM, "Resistor - 1%"
R56 R85: library part R0603_6K8_1%_0.1W_100PPM, "Resistor - 1%"
R58 R82 R113 R114 R115 R116 R117 R118 R119 R120 R121 R122 R123: library part R0603_220R_1%_0.1W_100PPM, "Resistor - 1%"
R60 R63 R66 R73 R172: library part R1206_22R_1%_0.25W_100PPM, "Resistor - 1%"
R67_1 R67_2 R67_3 R67_4 R67_5 R67_6 R67_7 R67_8 R67_9 R67_10 R67_11 R67_12 R67_13 R67_14 R67_15 R67_16 R67_17 R67_18 R67_19 R67_20 R67_21 R67_22 R67_23 R67_24 R67_25 R67_26 R67_27 R67_28 R67_29 R67_30 R67_31 R67_32: library part R0603_11K_1%_0.1W_100PPM, "Resistor - 1%"
R69 R150 R156 R159: library part R0603_24K_1%_0.1W_100PPM, "Resistor - 1%"
R70 R153 R158 R161: library part R0603_2K7_1%_0.1W_100PPM, "Resistor - 1%"
R74 R75 R79 R83: library part R0603_2K2_1%_0.1W_100PPM, "Resistor - 1%"
R78 R87: library part R0603_10M_1%_0.125W_100PPM_VISHAY_CHP, "Resistor - 1%"
R162: library part R0603_270K_1%_0.1W_100PPM, "Resistor - 1%"
R164: library part R0603_82K_1%_0.1W_100PPM, "Resistor - 1%"
R171: library part R0402_10K_1%_0.0625W_100PPM, "Resistor - 1%"
SW1: library part COMATEL_313.1730.0.00.40.0, "Jumper 1 Pin"
T9: "P-CHANNEL MOSFET WITH DIODE"
W1: library part COMATEL_385.0358.1.02.400, "2 Mini Wire-Wrap Contact Strip Header"

## Free pads (board coordinates)
  round 6 hole 3.2: 0(58.4,7.6) 1(58.4,92.6) 2(28.4,92.6) 3(28.4,7.6)
  round 1.27 hole 2.794: 1(3.556,94.412) 2(3.556,5.512)

## Via types
v1: diameter 0.5, hole 0.2, TopLayer to BottomLayer, tented both sides, 685 vias
v2: diameter 1, hole 0.5, TopLayer to BottomLayer, tented both sides, 21 vias
v3: diameter 0.6, hole 0.3, TopLayer to BottomLayer, tented both sides, 21 vias
v4: diameter 1, hole 0.6, TopLayer to BottomLayer, tented both sides, 9 vias

## Nets (pads, with @x,y where several pads share a name; then routed paths per layer and width w, separated by ;. In a path a pad name is that pad's centre, name@x,y a point inside that pad or via, vN(x,y) a via of type N, cw(c..) or ccw(c..) an arc to the next point about the centre after c; other vN are vias at no path point)
CSN_EXT: IC23.12 R99.1 R118.2 | length 140.9
  TopLayer w0.127: IC23.12@20.213,5.881 21.645,5.881 v1(21.688,5.839) ; v1(135.462,33.22) 136.135,33.22 R99.1@136.211,33.297
  Signal Layer 1 w0.127: v1(21.688,5.839) 21.942,5.839 24.187,3.594 117.867,3.594 118.843,4.569 118.843,16.38 119.742,17.28 120,17.28 120.176,17.456 120.36,17.456 123.253,20.349 123.253,20.41 125.193,22.349 129.384,22.349 135.607,28.572 135.607,33.076 v1(135.462,33.22)
  BottomLayer w0.127: R118.2@20.05,5.5 21.348,5.5 v1(21.688,5.839)